# Altium PCB H3_PCB.PcbDoc (part 4 of 4)
Units mil, origin at the board's own origin, x right, y up, seen from the top; angles counter-clockwise.
Board outline 3705.03 x 2350.03 mil, 4 copper layers (Top Layer, PWR, GND, Bottom Layer), stack 30.634 mil thick; 137 components, 144 nets, 1001 pads, 675 vias.
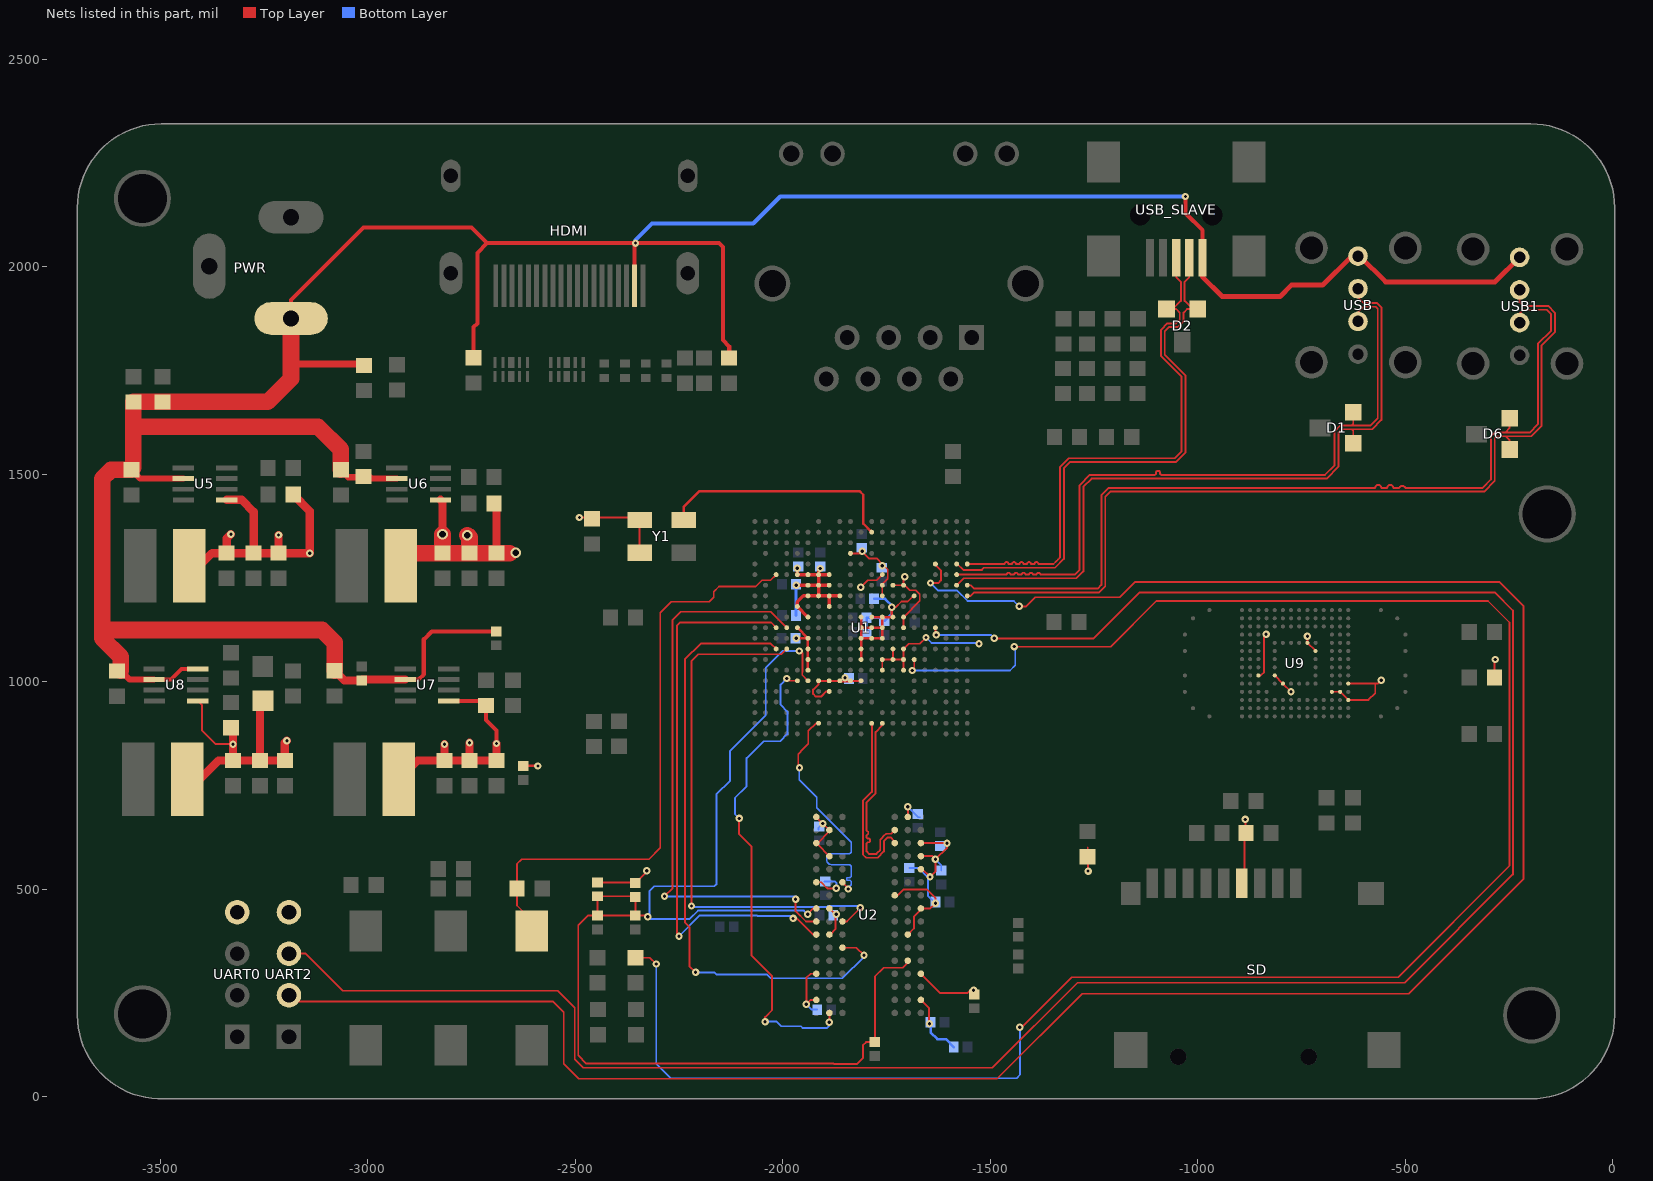
[diagram p6: the nets of this part, all layers, seen from the top]

## Via types
v1: diameter 17.72, hole 7.87, Top Layer to Bottom Layer, 671 vias
v2: diameter 25.59, hole 15.75, Top Layer to Bottom Layer, 4 vias

## Nets (pads, with @x,y where several pads share a name; then routed paths per layer and width w, separated by ;. In a path a pad name is that pad's centre, name@x,y a point inside that pad or via, vN(x,y) a via of type N, cw(c..) or ccw(c..) an arc to the next point about the centre after c; other vN are vias at no path point) (continued)
SDQS0_P: U1.R20 U2.F3 | length 620.7
  Top Layer w3.5: v1(-1959.71,793.07) -1963.11,796.47 -1963.11,826.07 -1950.09,839.09 -1938,851.18 -1938,882 -1919.72,900.28 U1.R20@-1913.54,900.28 ; U2.F3@-1855.98,517.01 -1842.11,503.13 v1(-1842.11,500.96)
  Bottom Layer w3.5: v1(-1959.71,793.07) -1959.71,763.71 -1918,722 -1918,696.69 -1835,613.69 -1835,591.09 cw(c-1840.25,591.09) -1840.25,585.84 -1881.24,585.84 ccw(c-1881.24,572.59) -1881.24,559.34 -1840.25,559.34 cw(c-1840.25,554.09) -1835,554.09 -1835,532 cw(c-1838.5,532) -1838.5,528.5 -1842.64,528.5 ccw(c-1842.64,525) -1846.14,525 ccw(c-1842.64,525) -1842.64,521.5 -1838.5,521.5 cw(c-1838.5,518) -1835,518 -1835,511.66 -1842.11,504.55 v1(-1842.11,500.96)
SDQS1_N: U1.J20 U2.B7 | length 447.6
  Top Layer w4.5: U1.J20@-1760,900.28 -1760,895 -1776,879 -1776,731.27 -1797.72,709.55 -1797.72,645 -1797.72,641.97 -1796.25,640.5 -1794,638.25 -1794,633.75 -1796.25,631.5 -1797.72,630.03 -1797.72,624.75 -1795.47,622.5 -1791.84,622.5 -1789.59,620.25 -1789.59,615.75 -1791.84,613.5 -1795.47,613.5 -1797.72,611.25 -1797.72,604.5 -1797.72,595.5 -1797.72,591.45 -1791.27,585 -1786.77,585 -1777.77,585 -1775,585 -1771.82,588.18 -1765.45,594.55 -1765,595 -1765,599.5 -1765,608.5 -1765,617.5 -1765,620 -1761.82,623.18 -1756.36,628.64 -1751,634 -1738.99,634 U2.B7@-1730,642.99
SDQS1_P: U1.K20 U2.C7 | length 448.1
  Top Layer w4.5: U1.K20@-1785.59,900.28 -1785,899.69 -1785,735 -1806.72,713.28 -1806.72,583.99 -1798.73,576 -1771.27,576 -1756,591.27 -1756,616.27 -1747.27,625 -1740,625 -1732.25,617.25 -1732.25,613.75 U2.C7@-1730,611.5
SODT0: U1.W11 U2.K1 | length 1368.8
  Top Layer w4.5: v1(-2250,387.2) -2255,392.2 -2255,1135 -2246.75,1143.25 -2028.25,1143.25 -2015.9,1130.9 U1.W11@-2015.9,1130.59 ; v1(-1975,430) -1965.73,430 -1926.76,391.02 U2.K1@-1918.98,391.02
  Bottom Layer w4.5: v1(-2250,387.2) -2199.81,437.39 -2062.54,437.39 -2060.76,435.61 -1980.61,435.61 v1(-1975,430)
SODT1: U1.V11 U2.J1 | length 1391.2
  Top Layer w4.5: v1(-2285,483.27) -2265.61,502.66 -2265.61,1149.39 -2245.88,1169.12 -2028.83,1169.12 U1.V11@-1990.31,1130.59 ; v1(-1969,476) -1969,447.63 -1943.89,422.52 U2.J1@-1918.98,422.52 U2.J1@-1918.98,427.94
  Bottom Layer w4.5: v1(-2285,483.27) -2284.8,483.07 -1974.43,483.07 -1974.22,483.27 -1969.12,483.27 -1969,483.14 v1(-1969,476)
SRAS: U1.V13 U2.J3 | length 1301.3
  Top Layer w4.5: v1(-2220,460) -2220,1050 -2203.52,1066.48 -2003.25,1066.48 U1.V13@-1990.31,1079.41 ; U2.J3@-1855.98,422.52 -1845.48,422.52 -1813,455 v1(-1813,456)
  Bottom Layer w4.5: v1(-2220,460) -2217.39,457.39 -1892.61,457.39 -1890,460 -1850,460 -1849.89,459.89 -1814.89,459.89 -1813,458 v1(-1813,456)
SRST: U1.U16 U2.T2 | length 1182.8
  Top Layer w4.5: v1(-2105,671) -2105,633.03 -2075,603.03 -2075,437.41 -2075.6,436.82 -2075.6,340.6 -2025.45,290.45 -2025.45,209.18 -2042.45,192.18 v1(-2042.45,181.12) ; v1(-1990.31,1008.27) -1984.68,1002.64 U1.U16@-1964.72,1002.64 ; v1(-1888.13,180) -1887.48,180.65 U2.T2@-1887.48,202.05
  Bottom Layer w4.5: v1(-2105,671) -2115,681 -2115,720.38 -2086.99,748.39 -2086.99,816.18 -2046.18,856.99 -2006.18,856.99 -1988.54,874.63 -1988.54,928.54 -2005,945 -2005,993.58 v1(-1990.31,1008.27) ; v1(-2042.45,181.12) -2014.9,181.12 -2003.78,170 -1955.95,170 -1951.47,165.51 -1893.62,165.51 -1888.13,171.01 v1(-1888.13,180)
STATUS_LED: R21.1 U1.F14 | length 4822.9
  Top Layer w4: R21.1@-2355,335.31 -2320.31,335.31 v1(-2305,320) ; v1(-1688,1027.36) -1683.23,1032.13 U1.F14@-1683.23,1053.82 ; v1(-1442.18,1085) -1209.8,1085 -1099.8,1195 -300,1195 -248.25,1143.25 -248.25,556.75 -516.73,288.27 -1303.39,288.27 -1423.75,167.9 v1(-1428.5,167.9)
  Bottom Layer w4: v1(-2305,320) -2305,80 -2270,45 -1436,45 -1428,53 v1@-1428,167.9 ; v1(-1688,1027.36) -1452.28,1027.36 -1439.64,1040 -1439.64,1082.46 v1(-1442.18,1085)
SVREF: C1.2 C2.1 C5.2 R3.2 R4.1 U1.T16 U2.H1 U2.M8 | length 3105.4
  Top Layer w4.5: v1(-2325,434.12) -2327.61,436.73 C5.2@-2355,436.73 ; v1(-1960,1074.5) -1957.63,1074.5 -1952.56,1069.43 -1952.56,1023.2 -1953.07,1022.69 -1953.07,1016.58 U1.T16@-1939.13,1002.64 ; v1(-1940,440) -1940,440.29 -1926.28,454.02 U2.H1@-1918.98,454.02 ; C1.2@-1778.5,131.73 -1799.21,131.73 -1806.72,124.22 -1806.72,93.29 -1820.73,79.28 -1876.87,79.28 -1877.6,80.01 -2473.04,80.01 -2492.81,99.78 -2492.81,413.73 -2469.81,436.73 R4.1@-2446.52,436.73 ; C1.2@-1777.77,130 -1777.77,289.96 -1756.57,311.16 -1710.97,311.16 -1698.5,323.62 U2.M8@-1698.5,328.03 ; R4.1@-2446.52,436.73 C2.1@-2446.52,483.27 -2356.73,483.27 R3.2@-2355,481.54 C5.2@-2355,436.73 ; R4.1@-2446.52,436.73 C5.2@-2355,436.73
  Bottom Layer w4.5: v1(-1960,1074.5) -2000.5,1074.5 -2040.95,1034.05 -2040.95,919.66 -2126.73,833.88 -2126.73,762.26 -2160,728.99 -2160,512.09 -2164.73,507.36 -2310,507.36 -2321,496.36 -2321,438.12 v1(-2325,434.12) -2319.27,428.39 -2224.73,428.39 -2204.23,448.89 -1948.89,448.89 v1(-1940,440)
SWE: U1.W13 U2.L3 | length 1501.8
  Top Layer w4.5: v1(-2210,300) -2225,315 -2225,410 -2235.61,420.61 -2235.61,1054.08 -2197.35,1092.35 -2028.83,1092.35 U1.W13@-2015.9,1079.41 ; U2.L3@-1855.98,359.53 -1855.85,359.39 -1822.39,359.39 v1(-1804,341)
  Bottom Layer w4.5: v1(-2210,300) -2165,300 -2160,295 -2038.25,295 -2028.96,285.72 -1856.3,285.72 -1804,338.02 v1(-1804,341)
UART2_RX: U1.D5 UART2.2 | length 5562.7
  Top Layer w4.5: UART2.2@-3190,245 -3175,230 -2554.4,230 -2527.86,203.46 -2527.86,80.01 -2491.3,43.45 -1483.55,43.45 -1278.55,248.45 -491.55,248.45 -214.5,525.5 -214.5,1182.61 -272.39,1240.5 -1151.12,1240.5 -1187.62,1204 -1391,1204 -1413,1182 v1(-1430,1182) ; v1(-1643.73,1238.27) -1644.21,1238.74 -1624.26,1238.74 -1618.61,1244.39 -1618.61,1268.84 -1632.05,1282.27 U1.D5@-1632.05,1284.13
  Bottom Layer w4.5: v1(-1643.73,1238.27) -1625.46,1220 -1579.58,1220 -1554.54,1194.96 -1442.96,1194.96 v1(-1430,1182)
UART2_TX: U1.D11 UART2.3 | length 5447.2
  Top Layer w4.5: UART2.3@-3190,345 -3149.5,345 -3060,255.5 -2542.36,255.5 -2501.31,214.45 -2501.31,91.01 -2480.3,70 -1494.54,70 -1289.54,275 -501.06,275 -240,536.06 -240,1172.05 -282.95,1215 -1140.56,1215 -1250.56,1105 v1(-1490,1105) ; U1.D11@-1632.05,1130.59 -1632.05,1109.84 -1629.89,1112 v1(-1629.89,1113.27)
  Bottom Layer w4.5: v1(-1629.89,1113.27) -1498.69,1113.27 -1490.21,1104.79 v1(-1490,1105)
UBOOT: R11.2 U1.W6 UBOOT.1 | length 1429.2
  Top Layer w4: UBOOT.1@-2605,400 -2605,425.9 -2640.32,461.21 R11.2@-2640.32,502.38 -2640.32,561.34 -2629,572.66 -2322.34,572.66 -2295,600 -2295,1166.81 -2268.81,1193 -2177,1193 -2166,1204 -2166,1217.61 -2153.61,1230 -2065,1230 -2050,1245 -2029.44,1245 U1.W6@-2015.9,1258.54
USB0_N: D2.1 U1.B5 USB_SLAVE.2 | length 1353.9
  Top Layer w4.5: U1.B5@-1580.87,1284.13 -1579.13,1284.13 -1565,1270 -1520,1270 -1515,1275 -1343.77,1275 -1322.5,1296.27 -1322.5,1514.43 -1306.93,1530 -1051.83,1530 -1029.5,1552.33 -1029.5,1738.73 -1079.21,1788.43 -1079.21,1845 -1069.21,1855 -1048.11,1855 -1034,1869.11 -1034,1890 -1025.27,1898.73 -1011.74,1898.73 -1031.36,1918.35 -1031.36,1963.86 -1020.12,1975.11 USB_SLAVE.2@-1020.12,2022.64
USB0_P: D2.2 U1.A5 USB_SLAVE.3 | length 1340.8
  Top Layer w4.5: U1.A5@-1555.27,1284.13 -1465,1284.13 cw(c-1460.5,1284.13) -1456,1284.13 -1447,1284.13 cw(c-1442.5,1284.13) -1438,1284.13 -1429,1284.13 cw(c-1424.5,1284.13) -1420,1284.13 -1411,1284.13 cw(c-1406.5,1284.13) -1402,1284.13 -1393,1284.13 cw(c-1388.5,1284.13) -1384,1284.13 -1375,1284.13 -1366,1284.13 -1357,1284.13 -1348,1284.13 -1347.37,1284.13 -1341.01,1290.49 -1336.5,1295 -1331.5,1300 -1331.5,1518.16 -1310.66,1539 -1055.56,1539 -1038.5,1556.06 -1038.5,1735 -1088.21,1784.71 -1088.21,1848.73 -1072.93,1864 -1051.83,1864 -1043,1872.83 -1043,1890 -1051.73,1898.73 D2.2@-1059.99,1898.73 ; D2.2@-1075,1898.73 D2.2@-1059.99,1898.73 ; USB_SLAVE.3@-1051.61,2022.64 -1051.61,1975.11 -1040.36,1963.86 -1040.36,1918.35 D2.2@-1059.99,1898.73
USB1_N: D1.1 U1.B7 USB.2 | length 1750.9
  Top Layer w4.5: U1.B7@-1580.87,1232.95 -1564.13,1249.69 -1292.09,1249.69 -1275.5,1266.27 -1275.5,1470.27 -1255.77,1490 -689.34,1490 -660.73,1518.61 -660.73,1600.27 -652,1609 -629,1609 ; D1.1@-625,1574.8 -625,1605 -629,1609 ; USB.2@-613.5,1947.51 -613.5,1926.5 -600,1913 -567.27,1913 -557,1902.73 -557,1631.27 -579.27,1609 -629,1609
USB1_P: D1.2 U1.B6 USB.3 | length 1750.9
  Top Layer w4.5: U1.B6@-1580.87,1258.54 -1460,1258.54 cw(c-1455.5,1258.54) -1451,1258.54 -1442,1258.54 cw(c-1437.5,1258.54) -1433,1258.54 -1424,1258.54 cw(c-1419.5,1258.54) -1415,1258.54 -1406,1258.54 cw(c-1401.5,1258.54) -1397,1258.54 -1388,1258.54 cw(c-1383.5,1258.54) -1379,1258.54 -1370,1258.54 -1361,1258.54 -1352,1258.54 -1343,1258.54 -1340,1258.54 -1295.96,1258.54 -1284.5,1270 -1284.5,1474 -1259.5,1499 -1105,1499 -1104.05,1499 ccw(c-1104.05,1502.8) -1100.25,1502.8 -1100.25,1504.77 cw(c-1096.45,1504.77) -1096.45,1508.57 -1094.55,1508.57 cw(c-1094.55,1504.77) -1090.75,1504.77 -1090.75,1502.8 ccw(c-1086.95,1502.8) -1086.95,1499 -1032.08,1499 -693.07,1499 -669.73,1522.33 -669.73,1604 -655.73,1618 -629,1618 ; D1.2@-625,1649.8 -625,1622 -629,1618 ; USB.3@-613.5,1868.71 -613.5,1890.5 -600,1904 -571,1904 -566,1899 -566,1635 -583,1618 -629,1618
USB2_N: D6.1 U1.A8 USB1.2 | length 2188.6
  Top Layer w4.5: U1.A8@-1555.27,1207.36 -1547.11,1207.36 -1538.82,1215.66 -1237.2,1215.66 -1222.81,1230.04 -1222.81,1446.53 -1210.7,1458.64 -309.64,1458.64 -284,1484.27 -284,1588 -280,1592 -257.75,1592 ; D6.1@-248,1560 -248,1582.25 -257.75,1592 ; USB1.2@-224,1944.61 -224,1915 -215,1906 -155.27,1906 -139,1889.73 -139,1843 -171,1811 -171,1617.08 -196.08,1592 -257.75,1592
USB2_P: D6.2 U1.A7 USB1.3 | length 2174.1
  Top Layer w4.5: U1.A7@-1555.27,1232.95 -1547.11,1232.95 -1538.82,1224.66 -1240.92,1224.66 -1231.81,1233.76 -1231.81,1450.26 -1214.43,1467.64 -572,1467.64 cw(c-564.75,1467.64) -557.5,1467.64 -543,1467.64 cw(c-535.75,1467.64) -528.5,1467.64 -514,1467.64 cw(c-506.75,1464.28) -499.5,1467.64 -494,1467.64 -313.36,1467.64 -293,1488 -293,1591.73 -283.73,1601 -259,1601 ; D6.2@-248,1635 -248,1612 -259,1601 ; USB1.3@-224,1865.81 -224,1888 -215,1897 -159,1897 -148,1886 -148,1846.73 -180,1814.73 -180,1620.8 -199.8,1601 -259,1601
VCC_5V: C31.2 C32.2 C33.2 C37.2 C41.2 C45.2 HDMI.18 PWR.1 R22.1 R23.1 R28.1 R37.1 R38.1 R39.1 U5.2 U6.2 U7.2 U8.2 U8.8 USB1.1 USB.1 USB_SLAVE.1 | length 8142.4
  Top Layer w10: U8.2@-3515,1005.67 -3474.33,1005.67 -3448.67,1031.33 U8.8@-3410,1031.33 ; PWR.1@-3185,1875.91 -3185,1920 -3010,2095 -2750,2095 -2712.5,2057.5 ; U7.2@-2910,1005.67 -2877.6,1005.67 -2865,1018.27 -2865,1102.66 -2845.92,1121.73 R22.1@-2690,1121.73 ; R39.1@-2745,1781.31 -2745,1855 -2736,1864 -2736,2034 -2712.5,2057.5 ; HDMI.18@-2357.5,1942.95 -2357.5,2055 v1(-2355,2057.5) ; R38.1@-2129,1780.31 -2129,1808.7 -2144,1823.7 -2144,2048 -2153.5,2057.5 v1(-2355,2057.5) ; v1(-1029.5,2170) -1029.5,2129.5 -988.62,2088.62 USB_SLAVE.1@-988.62,2022.64 USB_SLAVE.1@-988.62,1983 ; -2712.5,2057.5 v1(-2355,2057.5) ; -3185,1769 -3178.63,1762.63 R37.1@-3009,1762.63 -3015.37,1769 -3185,1769
  Top Layer w12: USB_SLAVE.1@-988.62,1983 -988.62,1976.57 -941.05,1929 -801,1929 -774,1956 -699,1956 -628.79,2026.21 USB.1@-613.5,2026.21 -609.21,2026.21 -547,1964 -283.31,1964 USB1.1@-224,2023.31
  Top Layer w15: C45.2@-3595,1026.72 -3573.95,1005.67 U8.2@-3515,1005.67 ; C33.2@-3570,1511.05 -3548.95,1490 U5.2@-3445,1490 ; C37.2@-3065,1511.05 -3047.22,1493.27 -2995,1493.27 -2991.73,1490 U6.2@-2930,1490
  Top Layer w20: C41.2@-3080,1026.72 -3056.55,1003.27 R28.1@-3015,1003.27 -3012.6,1005.67 U7.2@-2910,1005.67
  Top Layer w40: C45.2@-3595,1026.72 -3595,1060 -3640,1105 -3640,1125 ; PWR.1@-3185,1875.91 -3185,1769 -3185,1730.7 -3241.01,1674.69 C31.2@-3495,1674.69 C32.2@-3565,1674.69 -3565,1615 ; C41.2@-3080,1026.72 -3080,1095 -3110,1125 -3640,1125 ; C37.2@-3065,1511.05 -3065,1560 -3120,1615 -3565,1615 ; -3640,1125 -3640,1490 -3618.95,1511.05 C33.2@-3570,1511.05 -3565,1516.05 -3565,1615
  Bottom Layer w10: v1(-2355,2057.5) -2355,2065 -2315,2105 -2070.95,2105 -2005.95,2170 v1(-1029.5,2170)
VDD1V2_SYS: C28.2 C42.2 C43.2 C44.2 C53.2 C54.2 C55.2 C56.2 L3.1 R29.1 U1.F8 U1.H10 U1.J10 U1.J11 U1.J12 U1.K10 U1.K11 U1.K12 U1.L10 U1.L11 U1.L12 U1.L13 U1.L14 U7.5 | length 1178.6
  Top Layer w4: v1(-1737.01,1180) -1727.43,1180 -1713.75,1193.68 -1698.59,1193.68 -1684.9,1207.36 U1.F8@-1683.23,1207.36
  Top Layer w6: C28.2@-2625,797.34 v1(-2590,797.34) ; U1.L14@-1811.18,1053.82 U1.L12@-1811.18,1105 ; U1.L10@-1811.18,1156.18 U1.L11@-1811.18,1130.59 ; U1.K10@-1785.59,1156.18 U1.J10@-1760,1156.18 ; v1(-1737.01,1180) -1737.01,1158.78 U1.H10@-1734.41,1156.18 U1.J10@-1760,1156.18 ; U1.L12@-1811.18,1105 U1.L11@-1811.18,1130.59 ; U1.L12@-1811.18,1105 U1.K12@-1785.59,1105 U1.J12@-1760,1105 U1.J11@-1760,1130.59 ; U1.L11@-1811.18,1130.59 U1.K11@-1785.59,1130.59 U1.J11@-1760,1130.59 ; U1.J11@-1760,1130.59 U1.J10@-1760,1156.18
  Top Layer w10: U7.5@-2805,954.33 -2726.25,954.33 R29.1@-2715,943.08 -2715,908.18 -2690,883.18 v1(-2690,851.36)
  Top Layer w20: L3.1@-2925.46,765 -2880.15,810.32 C42.2@-2815,810.32 ; v1(-2815,850) C42.2@-2815,810.32 ; v1(-2755,853.27) C43.2@-2755,810.32 ; v1(-2690,851.36) C44.2@-2690,810.32 C43.2@-2755,810.32 ; C42.2@-2815,810.32 C43.2@-2755,810.32
  Bottom Layer w6: C56.2@-1797.77,1120 C53.2@-1797.77,1155 C55.2@-1760.37,1155 ; C54.2@-1779.77,1200 -1753.16,1200 -1733.16,1180 v1(-1737.01,1180) -1737.01,1164.72 C55.2@-1755,1146.73
VDD_3V3: C30.2 C46.2 C47.2 C48.2 FB1.1 L4.1 R8.2 R10.2 R30.1 R33.1 SD.4 U1.G7 U1.G10 U1.G11 U1.G13 U1.G14 U1.G15 U1.H7 U1.H13 U1.H14 U1.J6 U1.J14 U1.J15 U8.5 U9.AA3 U9.AA5 U9.K6 U9.M6 U9.N5 U9.T10 U9.U9 U9.W4 U9.Y4 UART0.4 UART2.4 Y1.1 Y1.4 | length 2238.8
  Top Layer w4.5: U8.5@-3388.46,954.33 U8.5@-3410,954.33 -3400,944.33 -3400,883.27 -3366.73,850 v1(-3325,850) ; v1(-2490,1396.25) -2489.78,1396.46 -2351.47,1396.46 Y1.4@-2345,1390 Y1.1@-2345,1311.26 ; v1(-1812,1228) -1794.89,1245.11 -1780.56,1245.11 -1780.45,1245 -1773.54,1245 U1.J6@-1760,1258.54 ; U1.J15@-1760,1028.23 U1.J14@-1760,1053.82 U1.G14@-1708.82,1053.82 ; U1.H14@-1734.41,1053.82 U1.H13@-1734.41,1079.41 ; U1.H7@-1734.41,1232.95 U1.G7@-1708.82,1232.95 ; U1.G15@-1708.82,1028.23 U1.G14@-1708.82,1053.82 ; U1.G11@-1708.82,1130.59 U1.G10@-1708.82,1156.18 -1669.89,1195.11 -1669.89,1211.21 -1679.48,1220.8 -1693.75,1220.8 -1705.91,1232.95 U1.G7@-1708.82,1232.95 ; v1(-1705.91,1253.38) -1708.82,1250.46 U1.G7@-1708.82,1232.95 ; v1(-1654.53,1107) -1669.64,1091.89 -1696.34,1091.89 U1.G13@-1708.82,1079.41 U1.G14@-1708.82,1053.82 ; -1265,600.77 -1265,587.18 -1264,586.18 v1(-1264,544) ; SD.4@-893.31,515 -886.73,521.58 -886.73,636 -885,637.73 v1(-885,668.51) ; U9.K6@-853.6,1015.5 -847.85,1015.5 -840,1023.35 -840,1110 v1(-835,1115) ; U9.M6@-814.2,1015.5 U9.N5@-794.5,995.8 -794.5,995.6 v1(-775,976.1) ; v1(-735.5,1109.84) U9.T10@-735.5,1094.2 U9.U9@-715.8,1074.5 ; U9.W4@-676.4,976.1 U9.Y4@-656.7,976.1 U9.AA3@-637,956.4 -588.56,956.4 -572,972.96 -572,995.8 ; U9.AA5@-637,995.8 -572,995.8 ; v1(-557.5,1004) -565.7,995.8 -572,995.8 ; R33.1@-284.69,1010.45 -284.69,1052.5 -281.31,1052.5 v1(-282.63,1053.82)
  Top Layer w20: L4.1@-3435.46,765 -3405.32,765 -3360,810.32 C46.2@-3325,810.32 ; R30.1@-3330,889.69 -3325,884.69 v1(-3325,850) C46.2@-3325,810.32 ; FB1.1@-3260,945.5 C47.2@-3260,810.32 ; v1(-3195,858.27) -3200,853.27 C48.2@-3200,810.32 C47.2@-3260,810.32 ; C46.2@-3325,810.32 C47.2@-3260,810.32
  Bottom Layer w4.5: v1(-1654.53,1107) -1641.28,1093.75 -1528.75,1093.75 v1(-1527,1092)
VDD_CPUS: C25.2 C52.2 U1.J7 U1.J8 U1.M4 | length 184
  Top Layer w4.5: U1.M4@-1836.77,1309.72 -1813.78,1309.72 v1(-1808.5,1315) -1808.5,1313.9 -1792.16,1297.57 -1773.56,1297.57 v1@-1760,1284.01 ; U1.J8@-1760,1207.36 -1760,1232.95 -1760,1235.87 -1746.81,1249.05 -1746.81,1270.82 v1@-1760,1284.01 ; v1(-1760,1280) v1@-1760,1284.01
VDD_CPUX: C34.2 C35.2 C36.2 C57.2 C58.2 C59.2 C60.2 L1.1 R24.1 U1.N8 U1.P6 U1.P7 U1.P8 U1.P9 U1.R6 U1.R7 U1.R8 U1.T6 U1.T7 U1.T8 U1.T10 U1.U6 U1.U9 U5.5 | length 1252.3
  Top Layer w4.5: U1.R7@-1913.54,1232.95 U1.P7@-1887.95,1232.95
  Top Layer w8: v1@-1967.41,1232.95 U1.T7@-1939.13,1232.95 U1.R7@-1913.54,1232.95 ; v1(-1964.72,1273.99) U1.U6@-1964.72,1258.54 U1.R6@-1913.54,1258.54 ; U1.T10@-1939.13,1156.18 U1.U9@-1964.72,1181.77 -1964.72,1192.64 -1950,1207.36 U1.T8@-1939.13,1207.36 U1.R8@-1913.54,1207.36 ; v1(-1909.62,1273.21) -1913.54,1269.29 U1.R6@-1913.54,1258.54 ; U1.P9@-1887.95,1181.77 U1.P8@-1887.95,1207.36 ; U1.P7@-1887.95,1232.95 U1.R7@-1913.54,1232.95 ; U1.P6@-1887.95,1258.54 U1.R6@-1913.54,1258.54 ; U1.N8@-1862.36,1207.36 U1.P8@-1887.95,1207.36 ; U1.R8@-1913.54,1207.36 U1.R7@-1913.54,1232.95 ; U1.R8@-1913.54,1207.36 U1.P8@-1887.95,1207.36 ; U1.R7@-1913.54,1232.95 U1.R6@-1913.54,1258.54
  Top Layer w20: L1.1@-3430.46,1280 -3405.32,1280 -3375,1310.32 C34.2@-3340,1310.32 ; U5.5@-3340,1438.67 -3303.67,1438.67 -3275,1410 C35.2@-3275,1310.32 ; v1(-3330,1356) -3340,1346 C34.2@-3340,1310.32 ; v1(-3215,1353.86) C36.2@-3215,1310.32 ; R24.1@-3179.69,1451.5 -3140,1411.81 v1(-3140,1309.72) -3140.6,1310.32 C36.2@-3215,1310.32 ; C34.2@-3340,1310.32 C35.2@-3275,1310.32 ; C35.2@-3275,1310.32 C36.2@-3215,1310.32
  Bottom Layer w8: C57.2@-1968,1160 C59.2@-1968,1235
  other v1: -1967.41,1232.95
VDD_DRAN: C2.2 C3.2 C4.2 C6.2 C7.2 C8.2 C9.2 C10.2 C11.2 C12.2 C13.2 C14.2 C15.2 C16.2 C17.2 C38.2 C39.2 C40.2 L2.1 R3.1 R25.1 U1.L16 U1.M16 U1.N16 U1.P16 U1.P17 U1.R16 U1.T12 U1.T13 U1.T14 U1.T15 U1.U11 U2.A1 U2.A8 U2.B2 U2.C1 U2.C9 U2.D2 U2.D9 U2.E9 U2.F1 U2.G7 U2.H2 U2.H9 U2.K2 U2.K8 U2.N1 U2.N9 U2.R1 U2.R9 U6.5 | length 2530.8
  Top Layer w4.5: C2.2@-2446.52,516.73 -2356.73,516.73 R3.1@-2355,515 -2327.61,542.39 v1(-2327.61,545) ; U2.R1@-1918.98,233.54 -1932.46,233.54 v1(-1943,223) -1943,286.5 -1932.97,296.54 U2.N1@-1918.98,296.54 ; U2.F1@-1918.98,517.01 -1907.45,517.01 -1893.33,502.88 -1892.23,502.88 -1891.08,501.73 -1871.63,501.73 v1(-1870.83,502.53) ; U2.A1@-1918.98,674.49 -1918.98,673.98 v1(-1903.48,658.48) -1887.99,642.99 U2.B2@-1887.48,642.99 -1887.48,639.98 -1915.96,611.5 -1915.96,608.48 U2.D2@-1887.48,580 ; U2.K2@-1887.48,391.02 -1885.94,391.02 -1873.23,403.73 -1873.23,439.77 U2.H2@-1887.48,454.02 ; U2.G7@-1730,485.51 -1722.97,485.51 -1708.49,500 -1652.72,500 -1632.05,479.33 v1(-1632.05,466.47) -1644.5,454.02 U2.H9@-1667.01,454.02 -1667.01,450.65 -1683.88,433.78 -1683.88,405.65 U2.K8@-1698.5,391.02 ; U2.A8@-1698.5,674.49 v1(-1698.5,699.12) ; U2.R9@-1667.01,233.54 -1647.64,214.18 -1647.64,177.66 v1(-1646.16,176.18) ; U2.N9@-1667.01,296.54 -1620.36,249.89 -1574.99,249.89 -1574.88,250 -1555,250 -1547.95,257.05 v1(-1540,257.05) ; U2.E9@-1667.01,548.5 -1663.5,548.5 v1(-1645,530) -1632.05,542.95 v1(-1632.05,572.66) ; U2.D9@-1667.01,580 -1639.4,580 v1(-1632.05,572.66) ; U2.C9@-1667.01,611.5 -1604.5,611.5 v1(-1604,611) -1604,600.71 v1(-1632.05,572.66)
  Top Layer w5: U1.P17@-1887.95,977.05 -1895.09,977.05 -1907.74,964.4 -1920,964.4 -1926.72,971.12 -1926.72,981.41 -1913.54,994.6 U1.R16@-1913.54,1002.64 U1.P16@-1887.95,1002.64 U1.N16@-1862.36,1002.64 ; U1.N16@-1862.36,1001.34 -1850.22,1001.34 -1849.81,1001.74 -1850,1001.94 v1(-1850,1010) ; v1@-1850,1001.34 -1838.08,1001.34 U1.M16@-1836.77,1002.64 U1.L16@-1811.18,1002.64
  Top Layer w6: v1(-1967.21,1105) U1.T12@-1939.13,1105 ; U1.U11@-1964.72,1130.59 U1.T12@-1939.13,1105 ; U1.T15@-1939.13,1028.23 U1.T14@-1939.13,1053.82 U1.T13@-1939.13,1079.41 U1.T12@-1939.13,1105
  Top Layer w20: U6.5@-2825,1438.67 -2820,1433.67 v2(-2820,1356) ; R25.1@-2695.94,1430 -2690,1424.06 C40.2@-2690,1310.32
  Top Layer w40: L2.1@-2920.46,1280 -2890.15,1310.32 C38.2@-2820,1310.32 ; v2(-2820,1356) C38.2@-2820,1310.32 ; v2(-2760,1353.86) -2755,1348.86 C39.2@-2755,1310.32 ; -2657.48,1310.32 C40.2@-2690,1310.32 C39.2@-2755,1310.32 ; C38.2@-2820,1310.32 C39.2@-2755,1310.32
  Bottom Layer w4.5: v1(-1943,223) -1930,210 C15.2@-1916.73,210 ; C6.2@-1914.12,644.1 -1914.12,647.85 v1(-1903.48,658.48) ; C12.2@-1900,519.1 C12.2@-1897.37,519.1 -1874.1,519.1 -1870,515 -1870,503.36 v1(-1870.83,502.53) ; C16.2@-1873.83,437 v1(-1871.06,439.77) ; v1(-1698.5,699.12) -1673.12,673.73 C11.2@-1669.16,673.73 ; C8.2@-1695,551.73 -1672.45,551.73 -1650,529.28 -1650,485 -1632.05,467.05 v1(-1632.05,466.47) ; v1(-1632.05,572.66) -1618,558.6 C3.2@-1618,545.12
  Bottom Layer w6: C14.2@-1967.41,1104.79 v1(-1967.21,1105) ; C4.2@-1645.74,177.99 C4.2@-1643.73,180 -1643.73,155.3 -1627.27,138.84 -1606.85,138.84 C17.2@-1588,120
  other v2: -2643.74,1311.26
X24MI: U1.K2 Y1.3 | length 582.6
  Top Layer w6: Y1.3@-2238.7,1390 -2238.7,1421.72 -2200.42,1460 -1815,1460 -1805.94,1450.94 -1805.94,1381.25 U1.K2@-1785.59,1360.9
pads on no net: EARTHNET.7 HDMI.14 SD.0 U1.A1 U1.A13 U1.A14 U1.A16 U1.AA2 U1.AA3 U1.AA8 U1.AA9 U1.AA11 U1.AA12 U1.AA14 U1.AA15 U1.AA17 U1.AA18 U1.B1 U1.B2 U1.B8 U1.B9 U1.B13 U1.B14 U1.B15 U1.B16 U1.C1 U1.C2 U1.C3 U1.C13 U1.C14 U1.C15 U1.C16 U1.D1 U1.D2 U1.D3 U1.D6 U1.D8 U1.D13 U1.D15 U1.E3 U1.E11 U1.E13 U1.E14 U1.E15 U1.F3 U1.F11 U1.F13 U1.F16 U1.G4 U1.G9 U1.G12 U1.H4 U1.J3 U1.K1 U1.K4 U1.L2 U1.L5 U1.M1 U1.M3 U1.N1 U1.P2 U1.P3 U1.R1 U1.R2 U1.T3 U1.T4 U1.T5 U1.U2 U1.U4 U1.V1 U1.V4 U1.V5 U1.W1 U1.W2 U1.W3 U1.W5 U1.W9 U1.W12 U1.W15 U1.Y1 U1.Y2 U1.Y3 U1.Y4 U1.Y7 U1.Y8 U1.Y9 U1.Y10 U1.Y11 U1.Y12 U1.Y13 U1.Y14 U1.Y15 U1.Y16 U1.Y17 U5.1 U6.1 U7.1 U8.1 U9.A4 U9.A6 U9.A9 U9.A11 U9.AA1 U9.AA2 U9.AA7 U9.AA8 U9.AA9 U9.AA10 U9.AA11 U9.AA12 U9.AA13 U9.AA14 U9.AE1 U9.AE14 U9.AG2 U9.AG13 U9.AH4 U9.AH6 U9.AH9 U9.AH11 U9.B2 U9.B13 U9.D1 U9.D14 U9.H8 U9.H9 U9.H10 U9.H11 U9.H12 U9.H13 U9.H14 U9.J1 U9.J8 U9.J9 U9.J10 U9.J11 U9.J12 U9.J13 U9.J14 U9.K7 U9.K8 U9.K9 U9.K10 U9.K11 U9.K12 U9.K13 U9.K14 U9.L12 U9.L13 U9.L14 U9.M1 U9.M2 U9.M3 U9.M5 U9.M8 U9.M9 U9.M10 U9.M12 U9.M13 U9.M14 U9.N1 U9.N2 U9.N3 U9.N10 U9.N12 U9.N13 U9.N14 U9.P1 U9.P2 U9.P3 U9.P10 U9.P12 U9.P13 U9.P14 U9.R1 U9.R2 U9.R3 U9.R5 U9.R12 U9.R13 U9.R14 U9.T1 U9.T2 U9.T3 U9.T12 U9.T13 U9.T14 U9.U1 U9.U2 U9.U3 U9.U6 U9.U7 U9.U10 U9.U12 U9.U13 U9.U14 U9.V1 U9.V2 U9.V3 U9.V12 U9.V13 U9.V14 U9.W1 U9.W2 U9.W3 U9.W7 U9.W8 U9.W9 U9.W10 U9.W11 U9.W12 U9.W13 U9.W14 U9.Y3 U9.Y6 U9.Y7 U9.Y8 U9.Y9 U9.Y10 U9.Y11 U9.Y12 U9.Y13 U9.Y14 USB_SLAVE.4 USB_SLAVE.6 USB_SLAVE.7 USB_SLAVE.8 USB_SLAVE.9 USB_SLAVE.MH1 USB_SLAVE.MH2

## Polygon pours and split planes (outlines as drawn)
GND on Top Layer "Top Layer-No Net" (solid, remove dead copper, pour order 8): -3704,2342 -3700,2338 6,2338 6,25 -24,-5 -29,-10 -3708,-10
GND on Bottom Layer "Top Layer-No Net" (solid, remove dead copper, pour order 10): -3704,2347 5,2347 10,2342 10,-10 -3704,-10
VDD1V2_SYS on PWR (split plane): -1884.68,1154.14 -1883.74,1153.51 -1882.64,1153.29 -1842.38,1153.29 -1842.04,1152.96 -1841.11,1152.33 -1840,1152.11 -1838.89,1152.33 -1837.96,1152.96 -1837.33,1153.89 -1837.11,1155 -1837.23,1155.59 -1837.11,1156.18 -1837.11,1172.11 -1795,1172.11 -1793.89,1172.33 -1792.96,1172.96 -1767.61,1198.31 -1682.89,1198.31 -1682.89,1154.95 -1741.2,1096.64 -1828.8,1096.64 -1856.88,1124.71 -1857.81,1125.34 -1858.92,1125.56 -1913.8,1125.56 -1925.29,1137.04 -1926.22,1137.67 -1927.33,1137.89 -1993.75,1137.89 -1994.85,1137.67 -1995.79,1137.04 -2054.94,1077.89 -2558.8,1077.89 -2559.91,1077.67 -2560.85,1077.04 -2562.16,1075.73 -2562.79,1074.79 -2563.01,1073.68 -2563.01,652.89 -3028.8,652.89 -3042.11,666.2 -3042.11,825 -3042.11,1082.79 -3041.86,1082.96 -3030.22,1094.6 -3029.6,1095.53 -3029.38,1096.64 -3029.6,1097.75 -3030.22,1098.68 -3031.16,1099.31 -3032.27,1099.53 -3033.37,1099.31 -3034.31,1098.68 -3042.11,1090.89 -3042.11,1096.64 -3042.11,1137.11 -2052.89,1137.11 -2051.78,1137.33 -2051.45,1137.56 -2051.11,1137.33 -2050,1137.11 -2048.89,1137.33 -2047.96,1137.96 -2047.33,1138.89 -2047.11,1140 -2047.11,1180 -2020,1207.11 -1937.65,1207.11
VDD_DRAN on PWR (split plane): -2612.89,1453.8 -2612.89,1375 -2612.67,1373.89 -2612.04,1372.96 -2582.89,1343.8 -2582.89,1197.39 -2607.04,1173.24 -2607.67,1172.3 -2607.89,1171.2 -2607.89,1142.89 -3039.39,1142.89 -3039.44,1143.15 -3040.07,1144.09 -3041,1144.71 -3042.11,1144.93 -3043.22,1144.71 -3044.15,1144.09 -3046.2,1142.04 -3046.54,1141.54 -3047.04,1141.2 -3047.67,1140.26 -3047.89,1139.15 -3047.89,1096.64 -3047.89,1090 -3047.89,825 -3047.89,820 -3047.89,665 -3047.67,663.89 -3047.04,662.96 -3032.04,647.96 -3031.11,647.33 -3030,647.11 -2560.12,647.11 -2559.01,647.33 -2558.07,647.96 -2557.45,648.89 -2557.23,650 -2557.23,1072.11 -2053.75,1072.11 -2052.64,1072.33 -2051.7,1072.96 -1992.55,1132.11 -1928.53,1132.11 -1917.04,1120.63 -1916.11,1120 -1915,1119.78 -1860.12,1119.78 -1832.04,1091.71 -1831.11,1091.08 -1830,1090.86 -1738.75,1090.86 -1737.64,1091.08 -1736.71,1091.71 -1736.08,1092.64 -1735.86,1093.75 -1735.87,1093.79 -1730.82,1098.84 -1707.04,1075.07 -1706.11,1074.44 -1705,1074.22 -1673.46,1074.22 -1555.26,956.02 -1555.26,924.48 -1555.04,923.38 -1554.42,922.44 -1494.93,862.96 -1494,862.33 -1492.89,862.11 -1436.2,862.11 -1397.89,823.8 -1397.89,325 -1397.89,81.2 -1426.2,52.89 -2368.8,52.89 -2377.11,61.2 -2377.11,995 -2377.33,996.11 -2377.96,997.04 -2378.89,997.67 -2380,997.89 -2447.35,997.89 -2447.96,998.79 -2448.89,999.42 -2450,999.64 -2451.11,999.42 -2452.04,998.79 -2452.67,997.86 -2452.89,996.75 -2452.89,607.04 -2464.09,595.85 -3147.11,595.85 -3147.11,675 -3147.11,1095 -3147.11,1185 -3147.33,1186.11 -3147.96,1187.04 -3150.91,1190 -3102.96,1237.96 -3102.33,1238.89 -3102.11,1240 -3102.11,1513.8 -3098.8,1517.11 -2676.2,1517.11
VDD_CPUX on PWR (split plane): -2537.89,1528.8 -2537.89,1390 -2537.67,1388.89 -2537.04,1387.96 -2492.89,1343.8 -2492.89,1231.4 -2492.67,1230.3 -2492.04,1229.36 -2491.11,1228.73 -2490,1228.51 -2065,1228.51 -2063.89,1228.73 -2062.96,1229.36 -2022.96,1269.36 -2022.33,1270.3 -2022.11,1271.4 -2022.11,1274.47 -1999.47,1297.11 -1944.72,1297.11 -1927.61,1280 -1926.68,1279.37 -1925.57,1279.15 -1885.2,1279.15 -1842.89,1236.84 -1842.89,1195 -1842.89,1190 -1842.89,1177.35 -1842.89,1159.07 -1881.44,1159.07 -1934.41,1212.04 -1935.35,1212.67 -1936.45,1212.89 -2021.2,1212.89 -2022.3,1212.67 -2023.24,1212.04 -2052.04,1183.24 -2052.67,1182.3 -2052.89,1181.2 -2052.89,1142.89 -2602.11,1142.89 -2602.11,1170 -2577.96,1194.15 -2577.33,1195.09 -2577.11,1196.2 -2577.11,1345 -2577.33,1346.11 -2577.96,1347.04 -2607.11,1376.2 -2607.11,1455 -2607.33,1456.11 -2607.96,1457.04 -2672.96,1522.04 -2673.89,1522.67 -2675,1522.89 -3100,1522.89 -3101.11,1522.67 -3102.04,1522.04 -3107.04,1517.04 -3107.67,1516.11 -3107.89,1515 -3107.89,1241.2 -3157.04,1192.04 -3157.67,1191.11 -3157.89,1190 -3157.67,1188.89 -3157.04,1187.96 -3152.89,1183.8 -3152.89,1157.89 -3491.47,1157.89 -3492.11,1158.53 -3492.11,1553.8 -3468.8,1577.11 -2586.2,1577.11
VDD_3V3 on PWR (split plane): -184.96,2324.62 -173.11,2323.46 -161.37,2321.52 -149.78,2318.82 -138.39,2315.36 -127.25,2311.17 -116.41,2306.26 -105.92,2300.65 -95.81,2294.36 -86.14,2287.43 -76.94,2279.88 -68.25,2271.75 -60.12,2263.06 -52.57,2253.86 -45.64,2244.19 -39.35,2234.08 -33.74,2223.59 -28.83,2212.75 -24.64,2201.61 -21.18,2190.22 -18.48,2178.63 -16.54,2166.89 -15.38,2155.04 -15.01,2143.87 -15.08,2143.15 -15.08,196.85 -15.01,196.13 -15.38,184.96 -16.54,173.11 -18.48,161.37 -21.18,149.78 -24.64,138.39 -28.83,127.25 -33.74,116.41 -39.35,105.92 -45.64,95.81 -52.57,86.14 -60.12,76.94 -68.25,68.25 -76.94,60.12 -86.14,52.57 -95.81,45.64 -105.92,39.35 -116.41,33.74 -127.25,28.83 -138.39,24.64 -149.78,21.18 -161.37,18.48 -173.11,16.54 -184.96,15.38 -196.13,15.01 -196.85,15.08 -3500.93,15.08 -3503.94,16.33 -3503.94,15.09 -3504.33,15.13 -3504.33,15.19 -3510.04,15.38 -3521.89,16.54 -3533.63,18.48 -3545.22,21.18 -3556.61,24.64 -3567.75,28.83 -3578.59,33.74 -3589.08,39.35 -3599.19,45.64 -3608.86,52.57 -3618.06,60.12 -3626.75,68.25 -3634.88,76.94 -3642.43,86.14 -3649.36,95.81 -3655.65,105.92 -3661.26,116.41 -3666.17,127.25 -3670.36,138.39 -3673.82,149.78 -3676.52,161.37 -3678.46,173.11 -3679.62,184.96 -3679.99,196.13 -3679.92,196.85 -3679.92,2143.15 -3679.99,2143.87 -3679.62,2155.04 -3678.46,2166.89 -3676.52,2178.63 -3673.82,2190.22 -3670.36,2201.61 -3666.17,2212.75 -3661.26,2223.59 -3655.65,2234.08 -3649.36,2244.19 -3642.43,2253.86 -3634.88,2263.06 -3626.75,2271.75 -3618.06,2279.88 -3608.86,2287.43 -3599.19,2294.36 -3589.08,2300.65 -3578.59,2306.26 -3567.75,2311.17 -3556.61,2315.36 -3545.22,2318.82 -3533.63,2321.52 -3521.89,2323.46 -3510.04,2324.62 -3498.87,2324.99 -3498.15,2324.92 -196.85,2324.92 -196.13,2324.99
GND on GND (split plane): -184.96,2324.62 -173.11,2323.46 -161.37,2321.52 -149.78,2318.82 -138.39,2315.36 -127.25,2311.17 -116.41,2306.26 -105.92,2300.65 -95.81,2294.36 -86.14,2287.43 -76.94,2279.88 -68.25,2271.75 -60.12,2263.06 -52.57,2253.86 -45.64,2244.19 -39.35,2234.08 -33.74,2223.59 -28.83,2212.75 -24.64,2201.61 -21.18,2190.22 -18.48,2178.63 -16.54,2166.89 -15.38,2155.04 -15.01,2143.87 -15.08,2143.15 -15.08,196.85 -15.01,196.13 -15.38,184.96 -16.54,173.11 -18.48,161.37 -21.18,149.78 -24.64,138.39 -28.83,127.25 -33.74,116.41 -39.35,105.92 -45.64,95.81 -52.57,86.14 -60.12,76.94 -68.25,68.25 -76.94,60.12 -86.14,52.57 -95.81,45.64 -105.92,39.35 -116.41,33.74 -127.25,28.83 -138.39,24.64 -149.78,21.18 -161.37,18.48 -173.11,16.54 -184.96,15.38 -196.13,15.01 -196.85,15.08 -3500.93,15.08 -3503.94,16.33 -3503.94,15.09 -3504.33,15.13 -3504.33,15.19 -3510.04,15.38 -3521.89,16.54 -3533.63,18.48 -3545.22,21.18 -3556.61,24.64 -3567.75,28.83 -3578.59,33.74 -3589.08,39.35 -3599.19,45.64 -3608.86,52.57 -3618.06,60.12 -3626.75,68.25 -3634.88,76.94 -3642.43,86.14 -3649.36,95.81 -3655.65,105.92 -3661.26,116.41 -3666.17,127.25 -3670.36,138.39 -3673.82,149.78 -3676.52,161.37 -3678.46,173.11 -3679.62,184.96 -3679.99,196.13 -3679.92,196.85 -3679.92,2143.15 -3679.99,2143.87 -3679.62,2155.04 -3678.46,2166.89 -3676.52,2178.63 -3673.82,2190.22 -3670.36,2201.61 -3666.17,2212.75 -3661.26,2223.59 -3655.65,2234.08 -3649.36,2244.19 -3642.43,2253.86 -3634.88,2263.06 -3626.75,2271.75 -3618.06,2279.88 -3608.86,2287.43 -3599.19,2294.36 -3589.08,2300.65 -3578.59,2306.26 -3567.75,2311.17 -3556.61,2315.36 -3545.22,2318.82 -3533.63,2321.52 -3521.89,2323.46 -3510.04,2324.62 -3498.87,2324.99 -3498.15,2324.92 -196.85,2324.92 -196.13,2324.99

## Keep-outs
Keep-Out Layer:
  lines w10: -3503.94,0 -196.85,0 ccw(c-196.85,196.85) 0,196.85 0,2143.15 ccw(c-196.85,2143.15) -196.85,2340 -3498.15,2340 ccw(c-3498.15,2143.15) -3695,2143.15 -3695,196.85 ccw(c-3498.15,196.85) -3498.15,0

## Other copper
Top Layer:
  pour cut-out: -2799.47,1992.33 -2799.47,1435 -2379.47,1435 -2379.47,25 -1911.49,25 -1442.97,25 -1441.81,25 -1442.97,25 -1442.97,330 -759.47,330 -754.47,325 -751.67,327.8 -751.67,721.89 -754.47,724.69 -749.16,730 -419.47,730 -419.47,1345 -415.12,1349.35 -1261.06,1349.35 -1265.97,1344.44 -1265.97,1435 -243.8,1435 -239.47,1439.33 -239.47,2095 -259.47,2115 -2802.74,2115 -2807.74,2120
Bottom Layer:
  pour cut-out: -2799.47,1992.33 -2799.47,1435 -2379.47,1435 -2379.47,0 -1448.4,0 -1443.4,-5 -1442.97,-4.57 -1442.97,330 -759.47,330 -754.47,325 -751.67,327.8 -751.67,721.89 -754.47,724.69 -749.16,730 -419.47,730 -419.47,1345 -415.12,1349.35 -1261.06,1349.35 -1265.97,1344.44 -1265.97,1435 -243.8,1435 -239.47,1439.33 -239.47,2095 -259.47,2115 -2802.74,2115 -2807.74,2120
PWR (plane layer: these items are gaps in the copper):
  lines w5.67: -3485,650 -3482.11,652.89 ; -3150,665 -3150,1095 ; -3150,675 -3150,592.96 -2507.96,592.96 ; -3150,1085 -3150,1185 -3155,1190 -3105,1240 -3105,1515 -3100,1520 -2675,1520 -2610,1455 -2610,1375 -2580,1345 -2580,1196.2 -2605,1171.2 -2605,1140 ; -3150,1155 -3492.67,1155 -3495,1157.33 -3495,1555 -3470,1580 -2585,1580 -2535,1530 -2535,1390 -2490,1345 -2490,1231.4 -2065,1231.4 -2025,1271.4 -2025,1275.67 -2000.67,1300 -1943.53,1300 -1925.57,1282.04 -1884,1282.04 -1840,1238.04 -1840,1190 -1840,1156.18 ; -3045,820 -3045,1096.64 ; -3045,825 -3045,665 -3030,650 -2560.12,650 -2560.12,1073.68 -2558.8,1075 -2053.75,1075 ; -3045,1090 -3045,1139.15 ; -3043.91,1085 -3032.27,1096.64 ; -3042.11,1142.04 -3044.15,1140 -2052.89,1140 ; -2525,592.96 -2462.89,592.96 -2450,605.85 -2450,996.75 ; -2450,995 -2380,995 -2380,60 -2370,50 -2295,50 -1425,50 -1395,80 -1395,325 -1395,825 -1435,865 -1492.89,865 -1552.37,924.48 -1552.37,957.22 -1672.26,1077.11 -1705,1077.11 -1730.82,1102.93 ; -2065,1075 -2053.75,1075 ; -2050,1140 -2050,1181.2 -2021.2,1210 -1936.45,1210 -1882.64,1156.18 -1841.18,1156.18 -1840,1155 ; -1840,1195 -1840,1177.35 -1837.65,1175 -1820,1175 ; -1830.61,1175 -1820,1175 ; -1738.75,1093.75 -1740,1093.75 ; -1710,1201.2 -1768.8,1201.2 ; -1680,1154.38 -1680,1201.2 -1768.8,1201.2 ; -1679.38,1154.38 -1740,1093.75 ; -2053.75,1075 -1993.75,1135 -1927.33,1135 -1915,1122.67 -1858.92,1122.67 -1830,1093.75 -1740,1093.75 ; -1820,1175 -1795,1175 -1768.8,1201.2

## Silkscreen, mask and mechanical layers (free items; w line width, h text height)
Top Overlay:
  lines w5.67: -3381.85,910 -3380.24,911.61 -3357.64,911.61
  text "5V ONLY!" at -3309.65,1760.85 h40
  text "AllWinnerH3" at -1004,1362 h120
  text "VTRG" at -3301,575 h40

## Text inside footprints (layer, text, board x,y; h text height)
SD: Top Overlay "Cd" at -1122.39,464 h40 r270; Top Overlay "8" at -1069.39,442 h40; Top Overlay "7" at -1025.39,441 h40; Top Overlay "6" at -983.39,441 h40; Top Overlay "5" at -941.39,441 h40; Top Overlay "4" at -899.39,440 h40; Top Overlay "3" at -852.39,440 h40; Top Overlay "2" at -810.39,440 h40; Top Overlay "1" at -767.39,439 h40
U1: Top Overlay "H3" at -2160,1175 h40
USB: Mechanical 7 "3" at -623.58,1868.71 h40 r180; Mechanical 7 "2" at -623.58,1947.51 h40 r180; Mechanical 7 "6" at -735.78,1770.31 h40 r180; Mechanical 7 "4" at -623.58,1790.01 h40 r180; Mechanical 7 "5" at -509.38,1770.31 h40 r180; Mechanical 7 "7" at -509.38,2045.91 h40 r180; Mechanical 7 "8" at -735.78,2045.91 h40 r180; Mechanical 7 "1" at -623.58,2026.21 h40 r180
USB1: Mechanical 7 "3" at -234.08,1865.81 h40 r180; Mechanical 7 "2" at -234.08,1944.61 h40 r180; Mechanical 7 "6" at -346.28,1767.41 h40 r180; Mechanical 7 "4" at -234.08,1787.11 h40 r180; Mechanical 7 "5" at -119.88,1767.41 h40 r180; Mechanical 7 "7" at -119.88,2043.01 h40 r180; Mechanical 7 "8" at -346.28,2043.01 h40 r180; Mechanical 7 "1" at -234.08,2023.31 h40 r180